# Altium PCB GE21_M1_pku_f100.PcbDoc (part 13 of 19)
Units mm, origin at the board's own origin, x right, y up, seen from the top; angles counter-clockwise.
Board outline 423.9 x 668.59 mm, 8 copper layers (Top Layer, Signal 1, DGNG1, POWER, AGND, DGND2, Signal 2, Bottom Layer), stack 1.03 mm thick; 171 components, 336 nets, 2040 pads, 4872 vias.
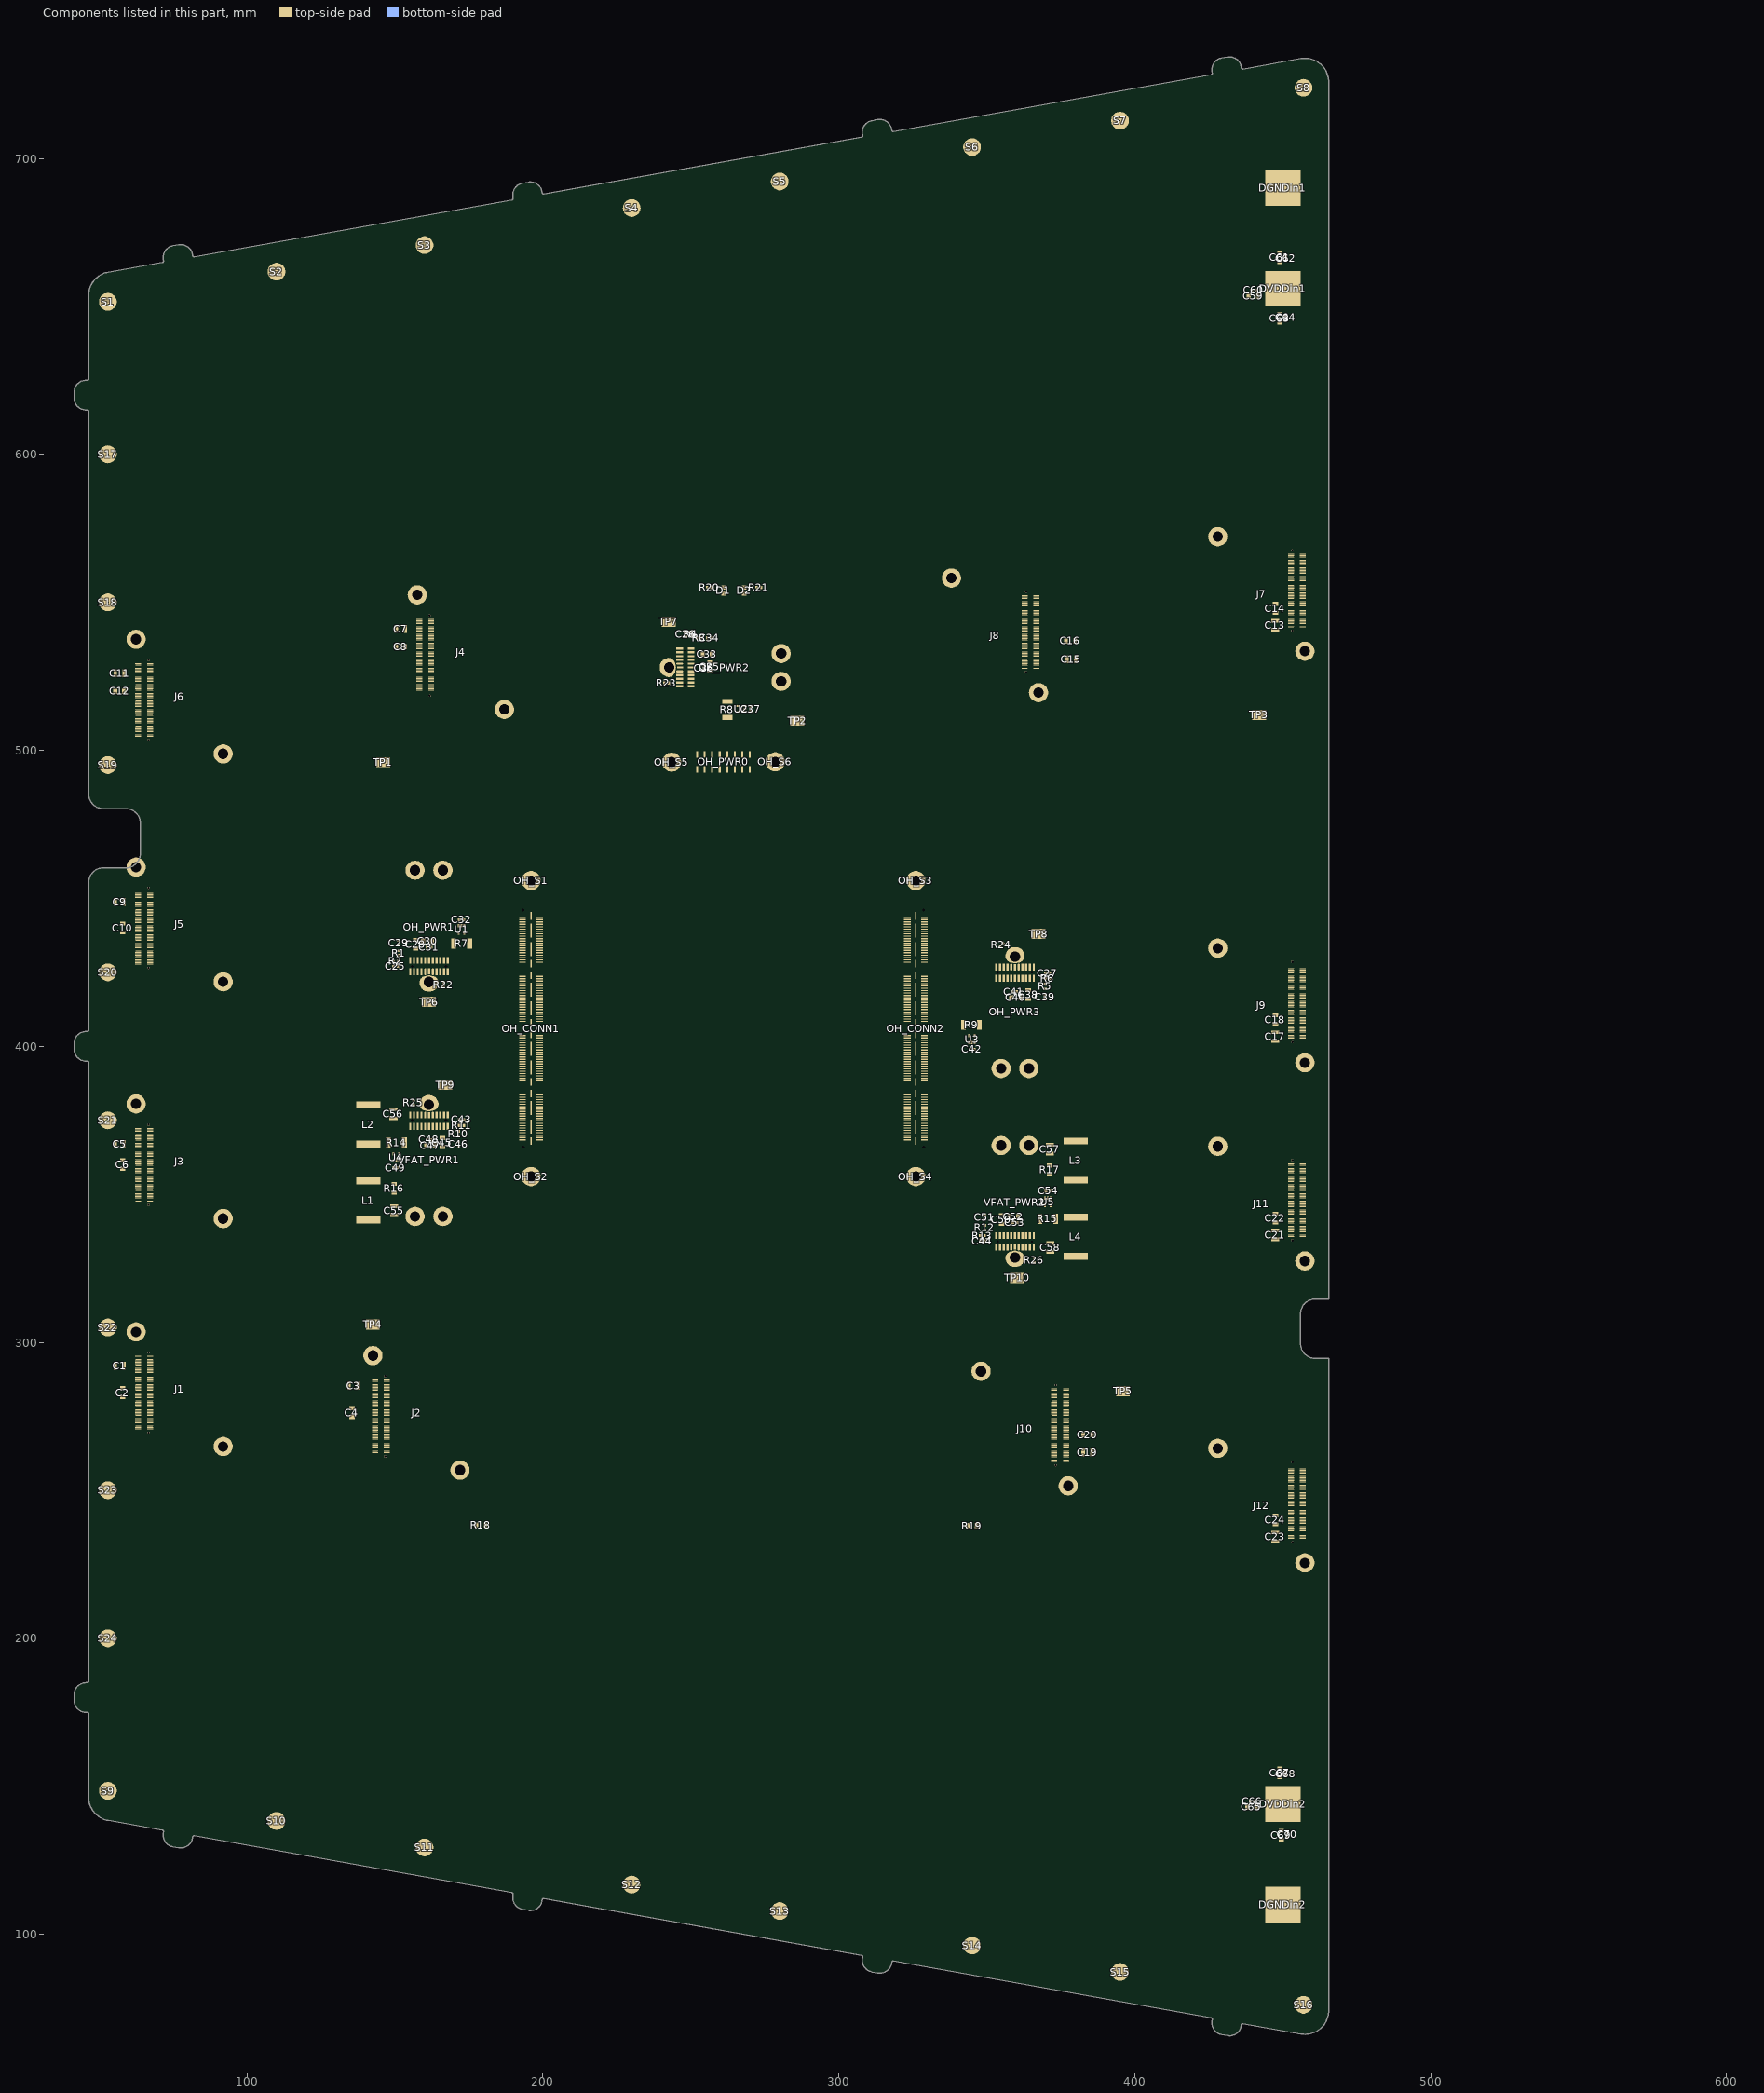
[diagram p19: the components of this part, seen from the top]

## Via types
v1: diameter 0.508, hole 0.203, Top Layer to Bottom Layer, tented both sides, 1688 vias
v2: diameter 0.402/0.402/0.402/0.201 (per signal layer), hole 0.201, Top Layer to Bottom Layer, tented both sides, 1040 vias
v3: diameter 0.507, hole 0.202, Top Layer to Bottom Layer, tented both sides, 780 vias
v4: diameter 0.4, hole 0, Top Layer to Bottom Layer, tented both sides, 438 vias
v5: diameter 0.4, hole 0.2, Top Layer to Bottom Layer, tented both sides, 288 vias
v6: diameter 0.51, hole 0.204, Top Layer to Bottom Layer, tented both sides, 288 vias
v7: diameter 0.6/0.4/0.4/0.4 (per signal layer), hole 0.3, Top Layer to Bottom Layer, tented both sides, 254 vias
v8: diameter 0.402, hole 0.201, Top Layer to Bottom Layer, tented both sides, 96 vias

## Nets (pads, with @x,y where several pads share a name; then routed paths per layer and width w, separated by ;. In a path a pad name is that pad's centre, name@x,y a point inside that pad or via, vN(x,y) a via of type N, cw(c..) or ccw(c..) an arc to the next point about the centre after c; other vN are vias at no path point) (continued)
copper on no net: (continued)
  Top Layer w0.025: 243.981,151.426 245.556,151.426 ; 243.981,153.154 245.175,153.154 ; 243.981,157.776 244.54,157.776 ; 243.981,157.802 244.514,157.802 ; 243.981,159.885 244.21,159.885 ; 243.981,159.91 244.21,159.91 ; 243.981,165.777 244.21,165.777 ; 243.981,165.803 244.21,165.803 ; 243.981,167.911 244.54,167.911 ; 243.981,170.095 245.048,170.095 ; 243.981,172.534 245.175,172.534 ; 244.006,151.401 245.607,151.401 ; 244.006,153.128 245.226,153.128 ; 244.006,157.751 244.565,157.751 ; 244.006,159.834 244.235,159.834 ; 244.006,159.859 244.235,159.859 ; 244.006,165.828 244.235,165.828 ; 244.006,165.854 244.235,165.854 ; 244.006,167.936 244.565,167.936 ; 244.006,170.07 244.362,170.07 ; 244.006,170.121 245.048,170.121 ; 244.006,172.559 245.226,172.559 ; 244.006,174.286 245.607,174.286 ; 244.032,157.726 244.591,157.726 ; 244.032,159.783 244.286,159.783 ; 244.032,159.808 244.26,159.808 ; 244.032,165.879 244.26,165.879 ; 244.032,165.904 244.26,165.904 ; 244.032,167.962 244.591,167.962 ; 244.032,170.019 244.337,170.019 ; 244.032,170.045 244.337,170.045 ; 244.057,151.376 245.683,151.376 ; 244.057,153.103 245.276,153.103 ; 244.057,157.7 244.616,157.7 ; 244.057,159.732 244.286,159.732 ; 244.057,159.758 244.286,159.758 ; 244.057,165.93 244.286,165.93 ; 244.057,165.955 244.286,165.955 ; 244.057,167.987 244.616,167.987 ; 244.057,169.994 244.311,169.994 ; 244.057,170.146 245.022,170.146 ; 244.057,172.585 245.276,172.585 ; 244.057,174.312 245.683,174.312 ; 244.083,157.675 244.641,157.675 ; 244.083,159.681 244.337,159.681 ; 244.083,159.707 244.311,159.707 ; 244.083,165.981 244.311,165.981 ; 244.083,166.006 244.311,166.006 ; 244.083,168.013 244.641,168.013 ; 244.083,169.968 244.286,169.968 ; 244.083,170.172 245.022,170.172 ; 244.108,151.35 245.734,151.35 ; 244.108,153.077 245.327,153.077 ; 244.108,157.624 244.692,157.624 ; 244.108,157.649 244.667,157.649 ; 244.108,159.631 244.362,159.631 ; 244.108,159.656 244.337,159.656 ; 244.108,166.031 244.337,166.031 ; 244.108,166.057 244.362,166.057 ; 244.108,168.038 244.667,168.038 ; 244.108,168.063 244.692,168.063 ; 244.108,169.333 244.692,169.333 ; 244.108,169.943 244.26,169.943 ; 244.108,170.197 244.997,170.197 ; 244.108,172.61 245.327,172.61 ; 244.108,174.337 245.734,174.337 ; 244.133,153.052 245.378,153.052 ; 244.133,157.599 244.718,157.599 ; 244.133,159.58 244.387,159.58 ; 244.133,159.605 244.362,159.605 ; 244.133,166.082 244.362,166.082 ; 244.133,166.108 244.387,166.108 ; 244.133,168.089 244.718,168.089 ; 244.133,169.918 244.235,169.918 ; 244.133,170.222 244.972,170.222 ; 244.133,172.635 245.378,172.635 ; 244.159,151.325 245.81,151.325 ; 244.159,157.573 244.743,157.573 ; 244.159,159.529 244.413,159.529 ; 244.159,159.554 244.387,159.554 ; 244.159,166.133 244.387,166.133 ; 244.159,166.158 244.413,166.158 ; 244.159,168.114 244.743,168.114 ; 244.159,170.248 244.946,170.248 ; 244.159,174.363 245.81,174.363 ; 244.184,153.027 245.429,153.027 ; 244.184,157.548 244.768,157.548 ; 244.184,159.478 244.438,159.478 ; 244.184,159.504 244.413,159.504 ; 244.184,166.184 244.413,166.184 ; 244.184,166.209 244.438,166.209 ; 244.184,168.14 244.768,168.14 ; 244.184,170.273 244.946,170.273 ; 244.184,172.661 245.429,172.661 ; 244.21,151.299 245.886,151.299 ; 244.21,153.001 245.48,153.001 ; 244.21,157.522 244.794,157.522 ; 244.21,159.427 244.464,159.427 ; 244.21,159.453 244.464,159.453 ; 244.21,166.235 244.464,166.235 ; 244.21,168.165 244.794,168.165 ; 244.21,169.359 244.718,169.359 ; 244.21,170.299 244.921,170.299 ; 244.21,172.686 245.48,172.686 ; 244.21,174.388 245.886,174.388 ; 244.235,157.497 244.819,157.497 ; 244.235,159.402 244.489,159.402 ; 244.235,166.26 244.464,166.26 ; 244.235,166.285 244.489,166.285 ; 244.235,168.19 244.819,168.19 ; 244.235,170.324 244.895,170.324 ; 244.26,151.274 245.937,151.274 ; 244.26,152.976 245.53,152.976 ; 244.26,157.472 244.845,157.472 ; 244.26,159.351 244.514,159.351 ; 244.26,159.377 244.489,159.377 ; 244.26,166.311 244.489,166.311 ; 244.26,166.336 244.514,166.336 ; 244.26,168.216 244.845,168.216 ; 244.26,169.384 244.718,169.384 ; 244.26,170.349 244.87,170.349 ; 244.26,172.712 245.53,172.712 ; 244.26,174.413 245.937,174.413 ; 244.286,152.95 245.581,152.95 ; 244.286,157.446 244.87,157.446 ; 244.286,159.326 244.54,159.326 ; 244.286,166.362 244.54,166.362 ; 244.286,168.241 244.87,168.241 ; 244.286,170.375 244.845,170.375 ; 244.311,151.249 246.013,151.249 ; 244.311,157.395 244.921,157.395 ; 244.311,157.421 244.895,157.421 ; 244.311,159.275 244.565,159.275 ; 244.311,159.3 244.54,159.3 ; 244.311,166.387 244.54,166.387 ; 244.311,166.412 244.565,166.412 ; 244.311,168.267 244.895,168.267 ; 244.311,168.292 244.921,168.292 ; 244.311,169.41 244.743,169.41 ; 244.311,170.4 244.819,170.4 ; 244.311,172.737 245.581,172.737 ; 244.311,174.439 246.013,174.439 ; 244.337,152.925 245.632,152.925 ; 244.337,157.37 244.946,157.37 ; 244.337,159.224 244.591,159.224 ; 244.337,159.25 244.591,159.25 ; 244.337,166.438 244.591,166.438 ; 244.337,166.463 244.591,166.463 ; 244.337,168.317 244.946,168.317 ; 244.337,169.435 244.768,169.435 ; 244.337,170.426 244.794,170.426 ; 244.337,172.762 245.657,172.762 ; 244.362,151.223 246.089,151.223 ; 244.362,157.345 244.972,157.345 ; 244.362,159.199 244.616,159.199 ; 244.362,166.489 244.616,166.489 ; 244.362,168.343 244.972,168.343 ; 244.362,170.451 244.768,170.451 ; 244.362,174.464 246.089,174.464 ; 244.387,152.9 245.708,152.9 ; 244.387,157.319 244.997,157.319 ; 244.387,159.148 244.641,159.148 ; 244.387,159.173 244.641,159.173 ; 244.387,166.514 244.641,166.514 ; 244.387,166.539 244.641,166.539 ; 244.387,168.368 244.997,168.368 ; 244.387,169.46 244.794,169.46 ; 244.387,170.476 244.718,170.476 ; 244.387,172.788 245.708,172.788 ; 244.413,151.198 246.165,151.198 ; 244.413,152.874 245.759,152.874 ; 244.413,157.294 245.022,157.294 ; 244.413,159.123 244.667,159.123 ; 244.413,166.565 244.667,166.565 ; 244.413,168.394 245.022,168.394 ; 244.413,169.486 244.794,169.486 ; 244.413,170.502 244.692,170.502 ; 244.413,174.49 246.165,174.49 ; 244.438,157.268 245.048,157.268 ; 244.438,159.072 244.692,159.072 ; 244.438,159.097 244.692,159.097 ; 244.438,166.59 244.692,166.59 ; 244.438,166.616 244.692,166.616 ; 244.438,168.419 245.048,168.419 ; 244.438,169.511 244.819,169.511 ; 244.438,170.527 244.692,170.527 ; 244.438,172.813 245.759,172.813 ; 244.464,151.172 246.242,151.172 ; 244.464,152.849 245.81,152.849 ; 244.464,157.243 245.073,157.243 ; 244.464,159.046 244.718,159.046 ; 244.464,166.641 244.718,166.641 ; 244.464,168.444 245.073,168.444 ; 244.464,169.537 244.845,169.537 ; 244.464,169.562 244.87,169.562 ; 244.464,169.587 244.895,169.587 ; 244.464,170.553 244.667,170.553 ; 244.464,172.839 245.81,172.839 ; 244.464,174.515 246.242,174.515 ; 244.489,157.218 245.099,157.218 ; 244.489,158.996 244.743,158.996 ; 244.489,159.021 244.743,159.021 ; 244.489,166.666 244.743,166.666 ; 244.489,166.692 244.743,166.692 ; 244.489,168.47 245.099,168.47 ; 244.489,169.613 244.895,169.613 ; 244.489,169.638 244.921,169.638 ; 244.489,170.578 244.616,170.578 ; 244.514,151.147 246.318,151.147 ; 244.514,152.823 245.861,152.823 ; 244.514,157.192 245.124,157.192 ; 244.514,158.97 244.768,158.97 ; 244.514,166.717 244.768,166.717 ; 244.514,168.495 245.124,168.495 ; 244.514,169.664 244.946,169.664 ; 244.514,170.603 244.616,170.603 ; 244.514,172.864 245.886,172.864 ; 244.514,174.54 246.318,174.54 ; 244.54,157.167 245.149,157.167 ; 244.54,158.919 244.794,158.919 ; 244.54,158.945 244.794,158.945 ; 244.54,166.743 244.794,166.743 ; 244.54,166.768 244.819,166.768 ; 244.54,168.521 245.149,168.521 ; 244.54,169.689 244.946,169.689 ; 244.54,170.07 245.073,170.07 ; 244.54,170.629 244.591,170.629 ; 244.565,151.122 246.394,151.122 ; 244.565,152.798 245.937,152.798 ; 244.565,157.141 245.175,157.141 ; 244.565,158.894 244.819,158.894 ; 244.565,166.793 244.819,166.793 ; 244.565,168.546 245.2,168.546 ; 244.565,169.714 244.972,169.714 ; 244.565,172.889 245.937,172.889 ; 244.565,174.566 246.394,174.566 ; 244.591,157.116 245.226,157.116 ; 244.591,158.843 244.87,158.843 ; 244.591,158.869 244.845,158.869 ; 244.591,166.819 244.845,166.819 ; 244.591,166.844 244.87,166.844 ; 244.591,168.571 245.226,168.571 ; 244.591,169.74 244.997,169.74 ; 244.591,170.045 245.073,170.045 ; 244.616,151.096 246.47,151.096 ; 244.616,152.773 245.988,152.773 ; 244.616,157.091 245.251,157.091 ; 244.616,158.818 244.87,158.818 ; 244.616,166.87 244.895,166.87 ; 244.616,168.597 245.251,168.597 ; 244.616,169.765 245.022,169.765 ; 244.616,170.019 245.073,170.019 ; 244.616,172.915 245.988,172.915 ; 244.616,174.591 246.47,174.591 ; 244.641,157.065 245.276,157.065 ; 244.641,158.792 244.895,158.792 ; 244.641,166.895 244.895,166.895 ; 244.641,168.622 245.276,168.622 ; 244.641,169.791 245.022,169.791 ; 244.641,169.816 245.048,169.816 ; 244.641,169.968 245.099,169.968 ; 244.641,169.994 245.073,169.994 ; 244.667,151.071 246.546,151.071 ; 244.667,152.747 246.064,152.747 ; 244.667,157.04 245.302,157.04 ; 244.667,158.767 244.921,158.767 ; 244.667,166.92 244.921,166.92 ; 244.667,168.648 245.302,168.648 ; 244.667,169.841 245.048,169.841 ; 244.667,169.867 245.073,169.867 ; 244.667,169.892 245.073,169.892 ; 244.667,169.918 245.073,169.918 ; 244.667,169.943 245.099,169.943 ; 244.667,172.94 246.064,172.94 ; 244.667,174.617 246.546,174.617 ; 244.692,152.722 246.115,152.722 ; 244.692,157.014 245.327,157.014 ; 244.692,158.716 244.972,158.716 ; 244.692,158.742 244.946,158.742 ; 244.692,166.946 244.946,166.946 ; 244.692,166.971 244.972,166.971 ; 244.692,168.673 245.327,168.673 ; 244.692,172.966 246.115,172.966 ; 244.718,151.045 246.623,151.045 ; 244.718,156.989 245.378,156.989 ; 244.718,158.691 244.972,158.691 ; 244.718,166.997 244.997,166.997 ; 244.718,168.698 245.378,168.698 ; 244.718,174.642 246.623,174.642 ; 244.743,152.696 246.191,152.696 ; 244.743,158.64 245.022,158.64 ; 244.743,158.665 244.997,158.665 ; 244.743,167.022 244.997,167.022 ; 244.743,167.047 245.022,167.047 ; 244.743,172.991 246.165,172.991 ; 244.768,151.02 246.724,151.02 ; 244.768,156.964 245.403,156.964 ; 244.768,158.615 245.048,158.615 ; 244.768,167.073 245.048,167.073 ; 244.768,168.724 245.403,168.724 ; 244.768,174.667 246.724,174.667 ; 244.794,152.671 246.242,152.671 ; 244.794,156.938 245.429,156.938 ; 244.794,158.589 245.073,158.589 ; 244.794,167.098 245.073,167.098 ; 244.794,168.749 245.429,168.749 ; 244.794,173.016 246.242,173.016 ; 244.819,150.995 246.8,150.995 ; 244.819,156.913 245.454,156.913 ; 244.819,158.564 245.099,158.564 ; 244.819,167.124 245.099,167.124 ; 244.819,168.775 245.454,168.775 ; 244.819,174.693 246.8,174.693 ; 244.845,152.646 246.318,152.646 ; 244.845,156.887 245.505,156.887 ; 244.845,158.513 245.124,158.513 ; 244.845,158.538 245.099,158.538 ; 244.845,167.149 245.099,167.149 ; 244.845,167.174 245.124,167.174 ; 244.845,168.8 245.505,168.8 ; 244.845,173.042 246.318,173.042 ; 244.87,156.862 245.53,156.862 ; 244.87,158.488 245.149,158.488 ; 244.87,167.2 245.149,167.2 ; 244.87,168.825 245.53,168.825 ; 244.895,150.969 246.902,150.969 ; 244.895,152.62 246.394,152.62 ; 244.895,156.837 245.556,156.837 ; 244.895,158.462 245.175,158.462 ; 244.895,161.332 246.064,161.332 ; 244.895,161.358 246.089,161.358 ; 244.895,161.383 246.115,161.383 ; 244.895,167.225 245.175,167.225 ; 244.895,168.851 245.556,168.851 ; 244.895,173.067 246.394,173.067 ; 244.895,174.718 246.902,174.718 ; 244.921,156.811 245.581,156.811 ; 244.921,158.437 245.2,158.437 ; 244.921,161.231 245.988,161.231 ; 244.921,161.256 246.013,161.256 ; 244.921,161.282 246.038,161.282 ; 244.921,161.307 246.064,161.307 ; 244.921,161.409 246.14,161.409 ; 244.921,161.434 246.165,161.434 ; 244.921,161.459 246.191,161.459 ; 244.921,161.485 246.216,161.485 ; 244.921,161.51 246.242,161.51 ; 244.921,161.536 246.242,161.536 ; 244.921,167.251 245.2,167.251 ; 244.921,168.876 245.581,168.876 ; 244.946,150.944 246.978,150.944 ; 244.946,152.595 246.445,152.595 ; 244.946,156.786 245.632,156.786 ; 244.946,158.386 245.251,158.386 ; 244.946,158.411 245.226,158.411 ; 244.946,161.155 245.911,161.155 ; 244.946,161.18 245.937,161.18 ; 244.946,161.205 245.962,161.205 ; 244.946,161.561 246.267,161.561 ; 244.946,161.586 246.292,161.586 ; 244.946,161.612 246.318,161.612 ; 244.946,161.637 246.343,161.637 ; 244.946,167.276 245.226,167.276 ; 244.946,168.902 245.632,168.902 ; 244.946,173.093 246.445,173.093 ; 244.946,174.744 246.978,174.744 ; 244.972,158.361 245.251,158.361 ; 244.972,161.104 245.861,161.104 ; 244.972,161.129 245.886,161.129 ; 244.972,161.663 246.369,161.663 ; 244.972,161.688 246.394,161.688 ; 244.972,161.713 246.419,161.713 ; 244.972,167.301 245.251,167.301 ; 244.972,167.327 245.276,167.327 ; 244.997,150.918 247.08,150.918 ; 244.997,152.569 246.521,152.569 ; 244.997,156.76 245.657,156.76 ; 244.997,158.335 245.276,158.335 ; 244.997,161.078 245.861,161.078 ; 244.997,161.739 246.445,161.739 ; 244.997,161.764 246.445,161.764 ; 244.997,161.79 246.47,161.79 ; 244.997,167.352 245.276,167.352 ; 244.997,168.927 245.657,168.927 ; 244.997,173.118 246.521,173.118 ; 244.997,174.769 247.08,174.769 ; 245.022,156.735 245.708,156.735 ; 245.022,158.31 245.302,158.31 ; 245.022,161.028 245.81,161.028 ; 245.022,161.053 245.81,161.053 ; 245.022,161.815 246.496,161.815 ; 245.022,161.84 246.521,161.84 ; 245.022,161.866 246.546,161.866 ; 245.022,167.378 245.302,167.378 ; 245.022,168.952 245.708,168.952 ; 245.048,150.893 247.181,150.893 ; 245.048,152.544 246.597,152.544 ; 245.048,156.71 245.734,156.71 ; 245.048,158.284 245.327,158.284 ; 245.048,161.002 245.784,161.002 ; 245.048,161.891 246.572,161.891 ; 245.048,161.917 246.597,161.917 ; 245.048,167.403 245.327,167.403 ; 245.048,168.978 245.734,168.978 ; 245.048,173.143 246.597,173.143 ; 245.048,174.794 247.181,174.794 ; 245.073,156.684 245.759,156.684 ; 245.073,158.259 245.353,158.259 ; 245.073,160.977 245.759,160.977 ; 245.073,161.942 246.623,161.942 ; 245.073,161.967 246.648,161.967 ; 245.073,167.428 245.353,167.428 ; 245.073,169.003 245.759,169.003 ; 245.099,152.519 246.648,152.519 ; 245.099,156.659 245.784,156.659 ; 245.099,158.234 245.378,158.234 ; 245.099,160.951 245.708,160.951 ; 245.099,161.993 246.673,161.993 ; 245.099,162.018 246.673,162.018 ; 245.099,167.454 245.378,167.454 ; 245.099,169.029 245.81,169.029 ; 245.099,173.169 246.673,173.169 ; 245.124,150.868 247.283,150.868 ; 245.124,158.208 245.403,158.208 ; 245.124,160.926 245.683,160.926 ; 245.124,162.044 246.724,162.044 ; 245.124,162.069 246.724,162.069 ; 245.124,167.479 245.403,167.479 ; 245.124,174.82 247.283,174.82 ; 245.149,152.493 246.724,152.493 ; 245.149,156.633 245.835,156.633 ; 245.149,158.183 245.429,158.183 ; 245.149,160.901 245.632,160.901 ; 245.149,162.094 246.75,162.094 ; 245.149,162.12 246.775,162.12 ; 245.149,167.505 245.429,167.505 ; 245.149,169.054 245.835,169.054 ; 245.149,173.194 246.75,173.194 ; 245.175,150.842 247.385,150.842 ; 245.175,156.608 245.861,156.608 ; 245.175,158.157 245.454,158.157 ; 245.175,162.145 246.8,162.145 ; 245.175,162.171 246.826,162.171 ; 245.175,167.53 245.454,167.53 ; 245.175,169.079 245.861,169.079 ; 245.175,174.845 247.385,174.845 ; 245.2,152.468 246.826,152.468 ; 245.2,156.583 245.911,156.583 ; 245.2,158.132 245.48,158.132 ; 245.2,160.875 245.607,160.875 ; 245.2,162.196 246.851,162.196 ; 245.2,162.221 246.877,162.221 ; 245.2,167.555 245.48,167.555 ; 245.2,169.105 245.911,169.105 ; 245.2,173.22 246.826,173.22 ; 245.226,150.817 247.486,150.817 ; 245.226,156.557 245.937,156.557 ; 245.226,158.081 245.53,158.081 ; 245.226,158.107 245.505,158.107 ; 245.226,160.85 245.53,160.85 ; 245.226,162.247 246.902,162.247 ; 245.226,167.581 245.505,167.581 ; 245.226,169.13 245.937,169.13 ; 245.226,174.871 247.512,174.871 ; 245.251,152.442 246.902,152.442 ; 245.251,162.272 246.927,162.272 ; 245.251,162.298 246.953,162.298 ; 245.251,164.584 246.343,164.584 ; 245.251,164.609 246.369,164.609 ; 245.251,164.634 246.419,164.634 ; 245.251,164.66 246.445,164.66 ; 245.251,164.685 246.47,164.685 ; 245.251,164.711 246.521,164.711 ; 245.251,164.736 246.546,164.736 ; 245.251,167.606 245.53,167.606 ; 245.251,173.245 246.902,173.245 ; 245.276,156.532 245.988,156.532 ; 245.276,158.03 245.581,158.03 ; 245.276,158.056 245.556,158.056 ; 245.276,162.323 246.978,162.323 ; 245.276,162.348 247.004,162.348 ; 245.276,164.482 246.191,164.482 ; 245.276,164.507 246.242,164.507 ; 245.276,164.533 246.267,164.533 ; 245.276,164.558 246.318,164.558 ; 245.276,164.761 246.597,164.761 ; 245.276,164.787 246.623,164.787 ; 245.276,164.812 246.648,164.812 ; 245.276,164.838 246.699,164.838 ; 245.276,167.632 245.556,167.632 ; 245.276,167.657 245.581,167.657 ; 245.276,169.156 245.988,169.156 ; 245.302,150.791 247.613,150.791 ; 245.302,152.417 246.978,152.417 ; 245.302,156.506 246.013,156.506 ; 245.302,160.824 245.454,160.824 ; 245.302,162.374 247.029,162.374 ; 245.302,164.406 246.089,164.406 ; 245.302,164.431 246.115,164.431 ; 245.302,164.457 246.14,164.457 ; 245.302,164.863 246.724,164.863 ; 245.302,164.888 246.75,164.888 ; 245.302,164.914 246.8,164.914 ; 245.302,167.682 245.607,167.682 ; 245.302,169.181 246.013,169.181 ; 245.302,173.27 246.978,173.27 ; 245.302,174.896 247.613,174.896 ; 245.327,156.481 246.064,156.481 ; 245.327,157.98 245.632,157.98 ; 245.327,158.005 245.607,158.005 ; 245.327,162.399 247.054,162.399 ; 245.327,162.425 247.08,162.425 ; 245.327,164.355 245.988,164.355 ; 245.327,164.38 246.038,164.38 ; 245.327,164.939 246.826,164.939 ; 245.327,164.965 246.851,164.965 ; 245.327,169.206 246.064,169.206 ; 245.353,150.766 247.74,150.766 ; 245.353,152.392 247.054,152.392 ; 245.353,156.456 246.089,156.456 ; 245.353,157.954 245.657,157.954 ; 245.353,162.45 247.105,162.45 ; 245.353,164.33 245.962,164.33 ; 245.353,164.99 246.902,164.99 ; 245.353,167.708 245.632,167.708 ; 245.353,169.232 246.089,169.232 ; 245.353,173.296 247.054,173.296 ; 245.353,174.921 247.715,174.921 ; 245.378,157.929 245.683,157.929 ; 245.378,162.475 247.131,162.475 ; 245.378,162.501 247.131,162.501 ; 245.378,164.304 245.911,164.304 ; 245.378,165.015 246.927,165.015 ; 245.378,167.733 245.683,167.733 ; 245.378,167.759 245.708,167.759 ; 245.403,152.366 247.131,152.366 ; 245.403,156.43 246.14,156.43 ; 245.403,162.526 247.156,162.526 ; 245.403,165.041 246.953,165.041 ; 245.403,169.257 246.14,169.257 ; 245.403,173.321 247.131,173.321 ; 245.429,150.741 247.867,150.741 ; 245.429,156.405 246.191,156.405 ; 245.429,157.903 245.734,157.903 ; 245.429,162.552 247.181,162.552 ; 245.429,164.279 245.861,164.279 ; 245.429,165.066 247.004,165.066 ; 245.429,167.784 245.734,167.784 ; 245.429,169.283 246.191,169.283 ; 245.429,174.947 247.867,174.947 ; 245.454,152.341 247.232,152.341 ; 245.454,157.878 245.759,157.878 ; 245.454,162.577 247.207,162.577 ; 245.454,162.602 247.232,162.602 ; 245.454,164.253 245.835,164.253 ; 245.454,165.092 247.029,165.092 ; 245.454,165.117 247.054,165.117 ; 245.454,167.809 245.759,167.809 ; 245.454,173.347 247.232,173.347 ; 245.48,150.715 247.994,150.715 ; 245.48,156.379 246.216,156.379 ; 245.48,157.853 245.784,157.853 ; 245.48,162.628 247.258,162.628 ; 245.48,164.228 245.784,164.228 ; 245.48,165.142 247.105,165.142 ; 245.48,165.168 247.131,165.168 ; 245.48,167.835 245.784,167.835 ; 245.48,169.308 246.216,169.308 ; 245.48,174.972 247.994,174.972 ; 245.505,156.354 246.267,156.354 ; 245.505,157.827 245.81,157.827 ; 245.505,162.653 247.308,162.653 ; 245.505,165.193 247.156,165.193 ; 245.505,165.219 247.207,165.219 ; 245.505,167.86 245.81,167.86 ; 245.505,169.333 246.267,169.333 ; 245.53,152.315 247.308,152.315 ; 245.53,156.329 246.318,156.329 ; 245.53,157.802 245.835,157.802 ; 245.53,159.25 246.648,159.25 ; 245.53,159.275 246.673,159.275 ; 245.53,159.3 246.699,159.3 ; 245.53,159.326 246.724,159.326 ; 245.53,159.351 246.75,159.351 ; 245.53,162.679 247.334,162.679 ; 245.53,162.704 247.359,162.704 ; 245.53,164.203 245.734,164.203 ; 245.53,165.244 247.232,165.244 ; 245.53,165.269 247.283,165.269 ; 245.53,165.295 247.308,165.295 ; 245.53,167.886 245.835,167.886 ; 245.53,169.359 246.318,169.359 ; 245.53,173.372 247.308,173.372 ; 245.556,150.69 248.147,150.69 ; 245.556,157.776 245.861,157.776 ; 245.556,159.123 246.546,159.123 ; 245.556,159.148 